# Altium PCB MIPI_To_HDMI.PcbDoc
Units mm, origin at the board's own origin, x right, y up, seen from the top; angles counter-clockwise.
Board outline 25 x 25 mm, 2 copper layers (Top Layer, Bottom Layer), stack 1.642 mm thick; 28 components, 27 nets, 136 pads, 83 vias.
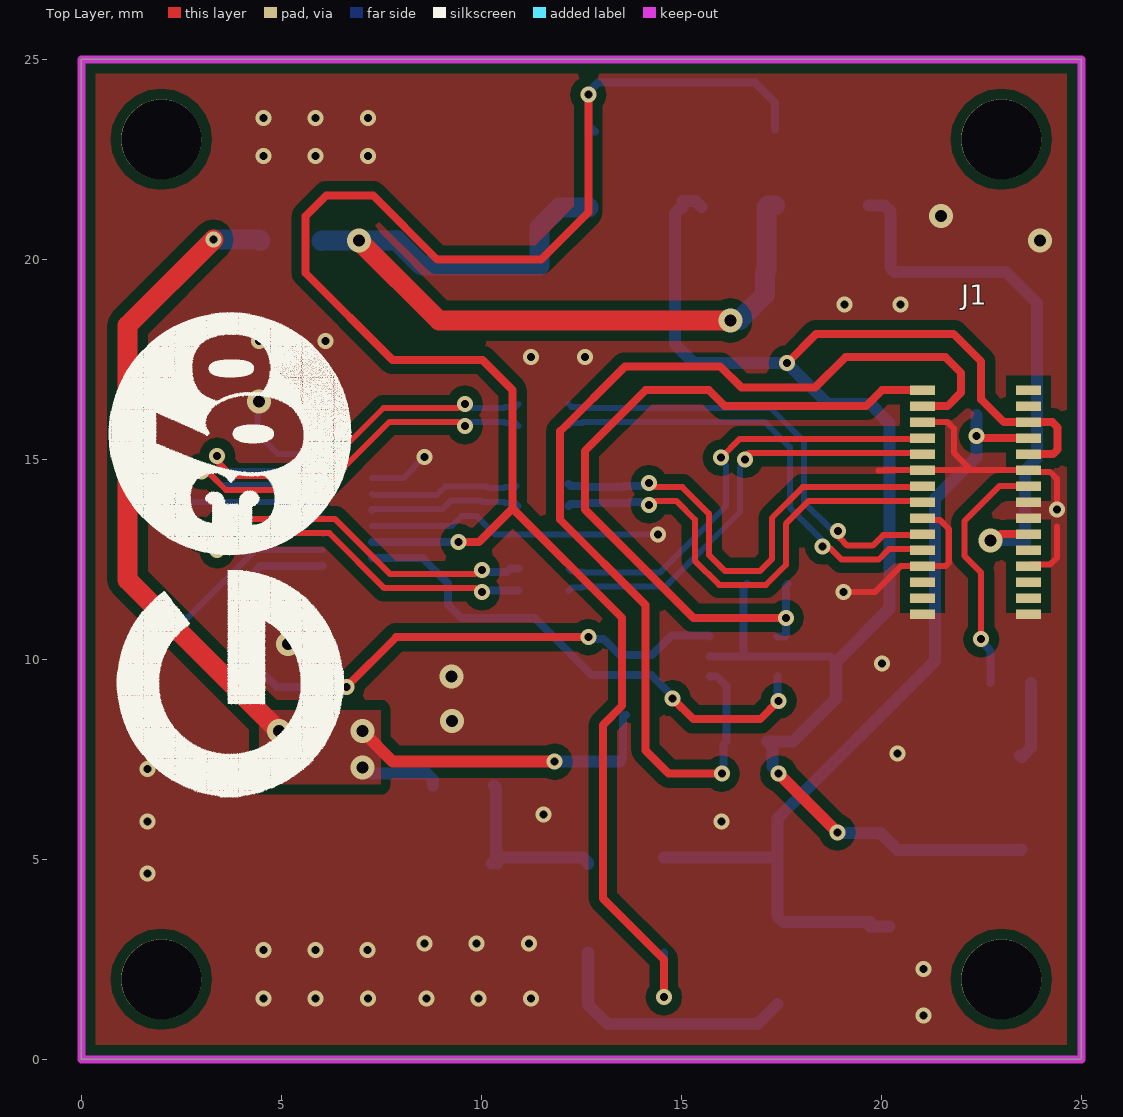
[diagram p0: Top Layer view]
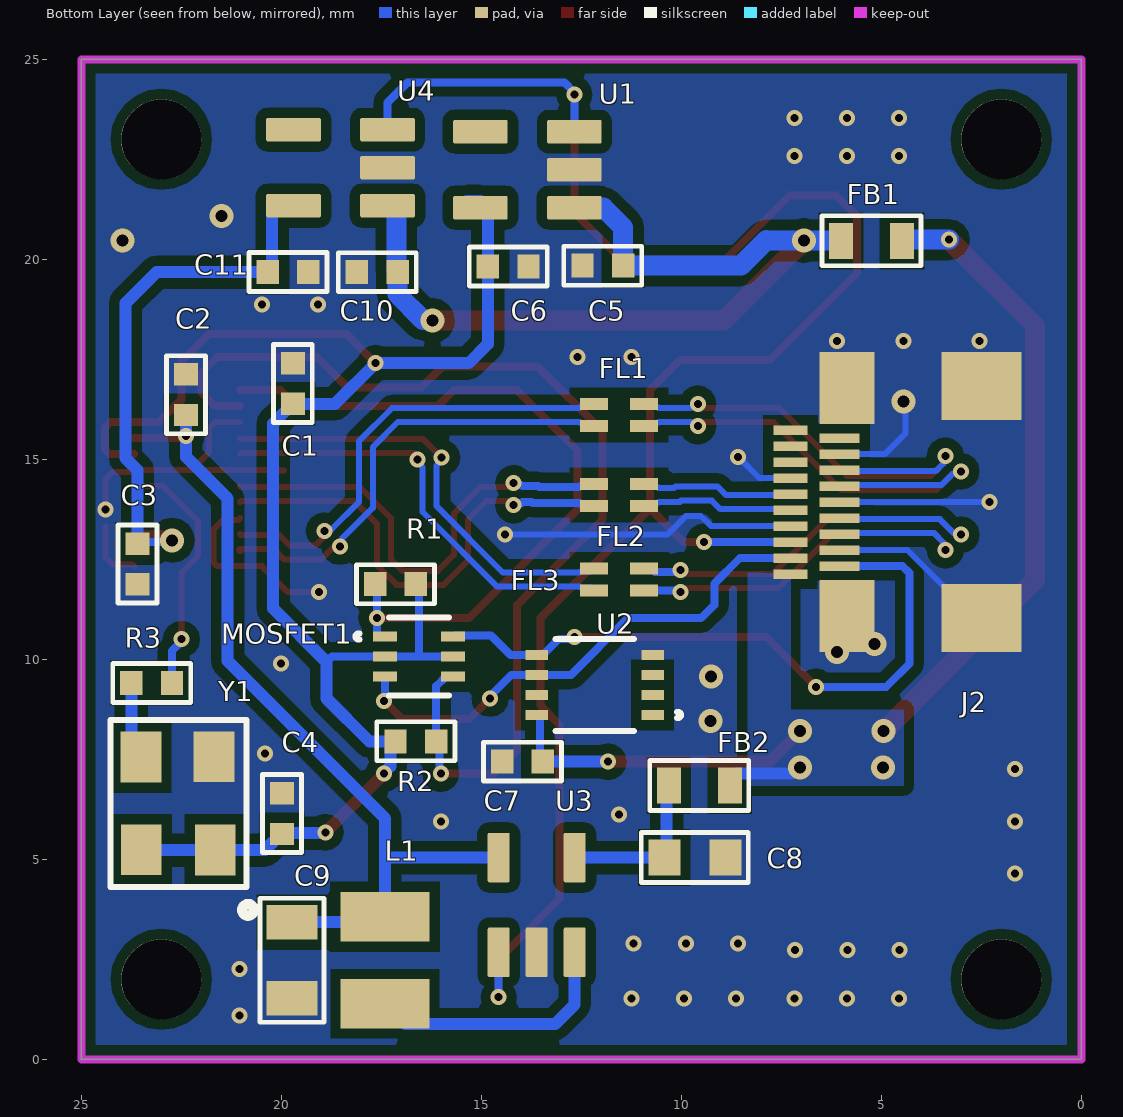
[diagram p1: Bottom Layer view, seen from below]
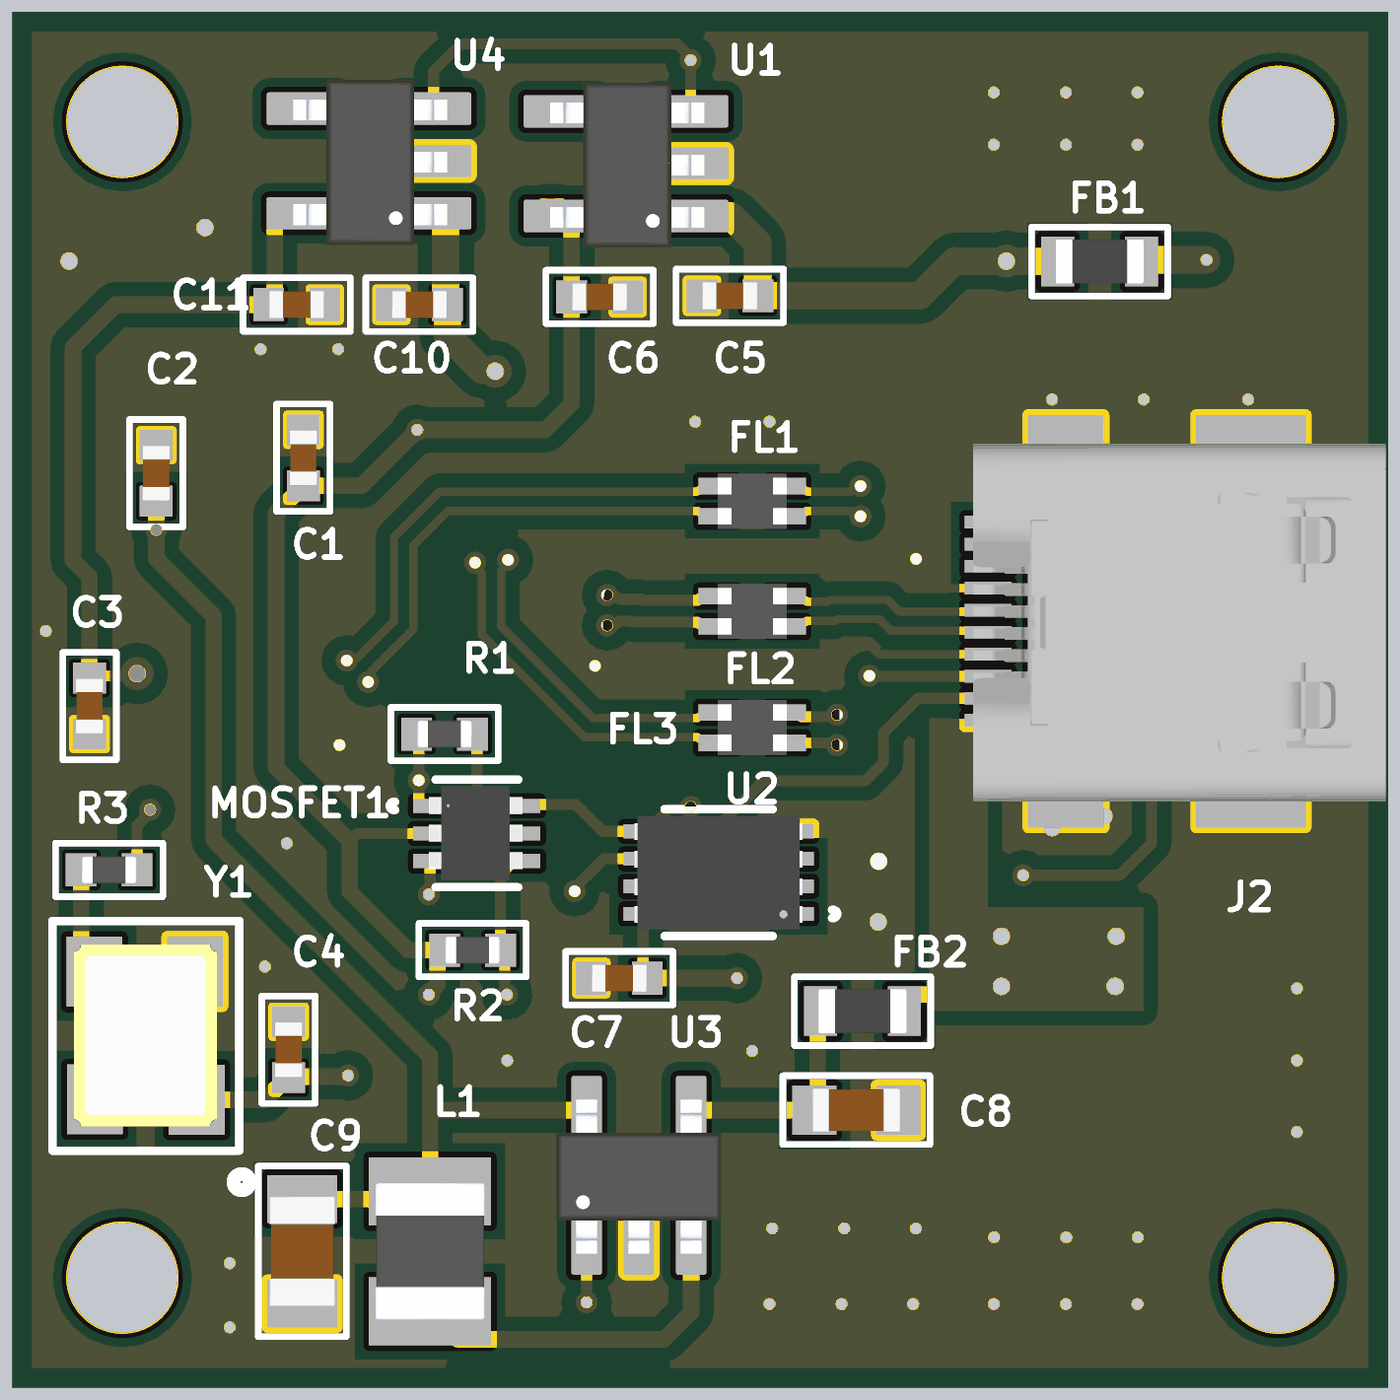
[diagram p2: 3D render of the assembled board from below, using the file's embedded part models]

## Layer stack, top to bottom
Top Solder: solder mask 0.0102, Solder Resist, Dk 3.5
Top Layer: signal copper 0.036
Dielectric 1: dielectric 1.57, FR-4, Dk 4.8
Bottom Layer: signal copper 0.036
Bottom Solder: solder mask 0.0102, Solder Resist, Dk 3.5

## Board outline
0,0 25,0 25,25 0,25

## Design rules (kind name [scope] priority, off if disabled: settings)
Clearance Clearance_1 [Inpoly] p1: gap=0.254 ignorepadtopadclearanceinfootprint=FALSE
Clearance [All] p2: gap=0.15 ignorepadtopadclearanceinfootprint=FALSE
DiffPairsRouting [All] p1: maxlimit=0.4 minlimit=0.15 mostfreqgap=0.2 toplayer_minwidth=0.15 toplayer_maxwidth=0.381 toplayer_prefwidth=0.2 bottomlayer_minwidth=0.15 bottomlayer_maxwidth=0.381 bottomlayer_prefwidth=0.2 substack1={EB61043C-BB84-4B0D-A59E-0C1C5B324672} toplayer_{eb61043c-bb84-4b0d-a59e-0c1c5b324672}_mingap=0.254 toplayer_{eb61043c-bb84-4b0d-a59e-0c1c5b324672}_maxgap=0.254 toplayer_{eb61043c-bb84-4b0d-a59e-0c1c5b324672}_prefgap=0.254 toplayer_{eb61043c-bb84-4b0d-a59e-0c1c5b324672}_minwidth=0.15 toplayer_{eb61043c-bb84-4b0d-a59e-0c1c5b324672}_maxwidth=0.381 toplayer_{eb61043c-bb84-4b0d-a59e-0c1c5b324672}_prefwidth=0.2 bottomlayer_{eb61043c-bb84-4b0d-a59e-0c1c5b324672}_mingap=0.254 bottomlayer_{eb61043c-bb84-4b0d-a59e-0c1c5b324672}_maxgap=0.254 bottomlayer_{eb61043c-bb84-4b0d-a59e-0c1c5b324672}_prefgap=0.254 bottomlayer_{eb61043c-bb84-4b0d-a59e-0c1c5b324672}_minwidth=0.15 bottomlayer_{eb61043c-bb84-4b0d-a59e-0c1c5b324672}_maxwidth=0.381 bottomlayer_{eb61043c-bb84-4b0d-a59e-0c1c5b324672}_prefwidth=0.2 maxuncoupledlength=12.7
HoleSize [All] p1: absolutevalues=TRUE maxlimit=10 minlimit=0.025 maxpercent=80.000 minpercent=20.000
MinimumSolderMaskSliver [All] p1 off: minsoldermaskwidth=0.254
PolygonConnect [All] p1: connectstyle=Direct reliefconductorwidth=0.254 reliefentries=4 polygonreliefangle="90 Angle" airgapwidth=0.254
RoutingVias [All] p1: holewidth=0.2 width=0.4 viastyle="Through Hole" minholewidth=0.2 minwidth=0.4 maxholewidth=0.4 maxwidth=1
SilkToSilkClearance [All] p1 off: silktosilkclearance=0.254
SilkToSolderMaskClearance [IsPad] p1 off: minsilkscreentomaskgap=0.254 clearancetoexposedcopper=TRUE
SolderMaskExpansion [All] p1: expansion=0.102
Width [All] p1: maxlimit=3 minlimit=0.15 preferedwidth=0.254
25 further rules are at their usual default settings.

## Classes and differential pairs
differential pair MIPI_D1: +MIPI_D1_P -MIPI_D1_N
differential pair MIPI_D0: +MIPI_D0_P -MIPI_D0_N
differential pair MIPI_CLK: +MIPI_CLK_P -MIPI_CLK_N
differential pair HDMI_MIPI_D1: +HDMI_MIPI_D1_P -HDMI_MIPI_D1_N
differential pair HDMI_MIPI_D0: +HDMI_MIPI_D0_P -HDMI_MIPI_D0_N
differential pair HDMI_MIPI_CLK: +HDMI_MIPI_CLK_P -HDMI_MIPI_CLK_N

## Components (designator, comment, footprint, x,y, rotation, side; value= is the part's Value field where it differs from the comment)
C1 "1uF" CAP-0402 19.711,16.388 r90 bottom
C2 "1uF" CAP-0402 22.384,16.108 r90 bottom
C3 "1uF" CAP-0402 23.596,12.893 r270 bottom
C4 "1uF" CAP-0402 19.98,5.634 r90 bottom
C5 "1uF" CAP-0402 11.454,19.84 r0 bottom
C6 "1uF" CAP-0402 14.836,19.82 r180 bottom
C7 "100nF" CAP-0402 13.462,7.442 r0 bottom
C8 "4.7uF" CAP-0603 9.664,5.044 r180 bottom
C9 "10uF" CAP-0805-S 19.731,2.478 r270 bottom
C10 "1uF" CAP-0402 17.094,19.68 r0 bottom
C11 "1uF" CAP-0402 20.34,19.68 r180 bottom
FB1 "BLM18AG601SN1" FBD-0603-S 5.242,20.462 r0 bottom
FB2 "BLM18AG601SN1" FBD-0603-S 9.55,6.842 r0 bottom
FL1 "DLP11SN900HL2L" DLP11SN900HL2L 11.557,16.108 r0 bottom
FL2 "DLP11SN900HL2L" DLP11SN900HL2L 11.557,14.108 r0 bottom
FL3 "DLP11SN900HL2L" DLP11SN900HL2L 11.557,11.993 r0 bottom
J1 "DF37NC30DS04V51" DF37NC30DS04V51 22.352,13.927 r90 top
J2 "Micro HDMI" HDMI-0467650301 4.445,13.927 r90 bottom
L1 "2.2uH" IND-1008 17.409,2.478 r90 bottom
MOSFET1 "DMG1024UV-7" SOT-563_DIO 16.582,9.952 r180 bottom
R1 "2.2K" RES-0402 16.637,11.877 r0 bottom
R2 "2.2K" RES-0402 17.145,7.95 r180 bottom
R3 "22R" RES-0402 23.748,9.408 r180 bottom
U1 "AP7331-18WG" AP7331-sot-25 13.85,22.24 r0 bottom
U2 "ATSHA204A-MAHCZ-" ATSHA204A 12.192,9.428 r0 bottom
U3 "PAM2301CAAB120" PAM2301CAAB120 13.615,3.859 r90 bottom
U4 "AP7331-28WG" AP7331-sot-25 18.52,22.29 r0 bottom
Y1 "24MHz" 3225-OSC 22.579,6.474 r90 bottom

## Footprints (in the part's own frame and the unit in brackets; to place one, negate y for a bottom-side part, rotate by r counter-clockwise, add the part's x,y. Pads: shape width x height; smd on the part's side, far side on the other; paste and mask are expansions set on the pad)
3225-OSC [mil]
  rect 50x40 smd: 1(-48.89,-36.56) 2(42.98,-35.31) 3(42.67,36.56) 4(-48.58,36.25)
  silkscreen extent -114,-74 79,67, body extent -68,-51 62,51, height 31
AP7331-sot-25 [mm]
  rrect15% 1.37x0.59 smd: 1(-1.175,0.95) 2(-1.175,0) 3(-1.175,-0.95) 4(1.175,-0.95) 5(1.175,0.95)
  body extent -1.42,-1.47 1.38,1.53, height 1.31
ATSHA204A [mil]
  rect 22x10 smd: 1(-58.06,32.24) 2(-58.06,12.56) 3(-58.06,-7.13) 4(-58.06,-26.81) 5(56.02,-26.81) 6(56.02,-7.13) 7(56.02,12.56) 8(56.02,32.24)
  silkscreen extent -86,-43 38,48, body extent -61,-37 59,43, height 19
CAP-0402 [mm]
  rect 0.56x0.6 smd mask+0.07: 1(0,0) 2(1.016,0)
  silkscreen extent -0.47,-0.49 1.48,0.49, body extent 0.01,-0.25 1.01,0.25, height 0.49
CAP-0603 [mm]
  rect 0.8x0.9 smd: 1(-0.762,0) 2(0.762,0)
  silkscreen extent -1.34,-0.63 1.34,0.63, body extent -0.8,-0.4 0.8,0.4, height 0.6
CAP-0805-S [mm]
  rect 0.862x1.27 smd: 1(-0.95,0) 2(0.95,0)
  silkscreen extent -1.55,-0.8 1.55,0.8, body extent -1,-0.6 1,0.6, height 0.95
DF37NC30DS04V51 [mm]
  rect 0.23x0.63 smd: 1(2.8,-1.325) 2(2.4,-1.325) 3(2,-1.325) 4(1.6,-1.325) 5(1.2,-1.325) 6(0.8,-1.325) 7(0.4,-1.325) 8(0,-1.325) 9(-0.4,-1.325) 10(-0.8,-1.325) 11(-1.2,-1.325) 12(-1.6,-1.325) 13(-2,-1.325) 14(-2.4,-1.325) 15(-2.8,-1.325) 16(-2.8,1.325) 17(-2.4,1.325) 18(-2,1.325) 19(-1.6,1.325) 20(-1.2,1.325) 21(-0.8,1.325) 22(-0.4,1.325) 23(0,1.325) 24(0.4,1.325) 25(0.8,1.325) 26(1.2,1.325) 27(1.6,1.325) 28(2,1.325) 29(2.4,1.325) 30(2.8,1.325)
  body extent -5.21,-1.75 10.65,14.23, height 6.76
DLP11SN900HL2L [mm]
  rect 0.7x0.3 smd: 1(-0.625,0.275) 2(0.625,0.275) 3(0.625,-0.275) 4(-0.625,-0.275)
  body extent -0.62,-0.5 0.63,0.5, height 0.93
FBD-0603-S [mm]
  rect 0.6x0.9 smd: 1(-0.762,0) 2(0.762,0)
  silkscreen extent -1.24,-0.63 1.24,0.63, body extent -0.8,-0.4 0.8,0.4, height 0.79
HDMI-0467650301 [mm]
  rect 0.23x0.85 smd: 1(1.8,2.825) 3(1.4,2.825) 5(1,2.825) 7(0.6,2.825) 9(0.2,2.825) 11(-0.2,2.825) 13(-0.6,2.825) 15(-1,2.825) 17(-1.4,2.825) 19(-1.8,2.825)
  rect 0.23x1 smd: 2(1.6,1.6) 4(1.2,1.6) 6(0.8,1.6) 8(0.4,1.6) 10(0,1.6) 12(-0.4,1.6) 14(-0.8,1.6) 16(-1.2,1.6) 18(-1.6,1.6)
  rect 1.8x1.38 smd: 20(-2.85,1.41) 21(2.85,1.41)
  rect 1.7x2 smd: 22(-2.9,-1.95) 23(2.9,-1.95)
  body extent -3.28,-4.4 3.22,3.1, height 2.98
IND-1008 [mm]
  rect 1.24x2.22 smd: 1(-1.09,0) 2(1.09,0)
  body extent -1.25,-1 1.25,1, height 0.99
PAM2301CAAB120 [mm]
  rrect14% 1.24x0.55 smd: 1(-1.185,0.95) 2(-1.185,0) 3(-1.185,-0.95) 4(1.185,-0.95) 5(1.185,0.95)
  body extent -1.42,-1.5 1.38,1.5, height 1.31
RES-0402 [mm]
  rect 0.56x0.6 smd mask+0.07: 1(0,0) 2(1.016,0)
  silkscreen extent -0.47,-0.49 1.48,0.49, body extent 0.01,-0.25 1.01,0.25, height 0.37
SOT-563_DIO [mil]
  rect 24x10 smd: 1(-32.56,24.37) 2(-32.56,4.68) 3(-32.56,-15) 4(34.44,-15) 5(34.44,4.68) 6(34.44,24.37)
  silkscreen extent -61,-34 30,43, body extent -34,-29 34,38, height 24

## Part data
C1 C2 C3 C4 C5 C6 C7 C8 C9 C10 C11: library part CAP, "Capacitor"
FB1 FB2 L1: library part INDUCTOR, "Inductor"
FL1 FL2 FL3: Package=FIL_DLP11SN900HL2L, DeviceSetName=DLP11SN900HL2L, Digi-Key_Part_Number=490-5143-1-ND, GateName_1=G$1, LibraryName=DLP11SN900HL2L, MF=Murata, Mouser-Purchase-URL=https://snapeda.com/shop?store=Mouser&id=4300514, MP=DLP11SN900HL2L, SymbolName_1=DLP11SN900HL2L
J2: library part HDMI-0467650301, Manufacturer_Name=Molex, Manufacturer_Part_Number=0467650301, Arrow_Part_Number=0467650301, Arrow_Price-Stock=https://www.arrow.com/en/products/0467650301/molex, DeviceSetName=0467650301, GateName_1=G$1, Height=3mm, LibraryName=0467650301, Package=0467650301, SymbolName_1=0467650301
R1 R2 R3: library part RES
U1 U4: library part AP7331-xxWG-7, Package=SOT95P285X145-5N, DeviceSetName=AP7331-18WG-7, Digi-Key_Part_Number=AP7331-18WG-7DICT-ND, GateName_1=G$1, LibraryName=AP7331-18WG-7, MF="Diodes Inc.", Mouser-Purchase-URL=https://snapeda.com/shop?store=Mouser&id=494406, MP=AP7331-18WG-7, SymbolName_1=AP7331-18WG-7
U2: Manufacturer_Part_Number=ATSHA204A-MAHCZ-T, Built_By=EMA_Molly, Copyright="Copyright (C) 2018 Accelerated Designs. All rights reserved", SourceLibrary=Microchip_2019-08-23_25, Vendor=Microchip
U3: Package=SOT95P280X100-5N, DeviceSetName=PAM2301CAAB120, Digi-Key_Part_Number=PAM2301CAAB120DI-ND, GateName_1=G$1, LibraryName=PAM2301CAAB120, MF="Diodes Inc.", MP=PAM2301CAAB120, SymbolName_1=PAM2301CAAB120
Y1: library part OSC-3225
MOSFET1: Built_By=EMA_Cory, C="Copyright (C) 2018 Accelerated Designs. All rights reserved", Copyright="Copyright (C) 2018 Accelerated Designs. All rights reserved", Datasheet=https://www.diodes.com/assets/Datasheets/ds31974.pdf, Manufacturer_Part_Number=DMG1024UV-7, SourceLibrary=Diodes_Inc_2020-03-09, Vendor="Diodes Inc"

## Free pads (board coordinates)
  round 2 hole 2: 5(2,2) 5(2,23) 5(23,2) 5(23,23)

## Via types
v1: diameter 0.4, hole 0.2, Top Layer to Bottom Layer, tented both sides, 69 vias
v2: diameter 0.6, hole 0.3, Top Layer to Bottom Layer, tented both sides, 14 vias

## Nets (pads, with @x,y where several pads share a name; then routed paths per layer and width w, separated by ;. In a path a pad name is that pad's centre, name@x,y a point inside that pad or via, vN(x,y) a via of type N, cw(c..) or ccw(c..) an arc to the next point about the centre after c; other vN are vias at no path point)
1V2: C2.1 C9.1 J1.4 L1.2 U3.5 | length 21.6
  Top Layer w0.2: v1(22.384,15.586) 22.438,15.586 22.497,15.527 J1.4
  Bottom Layer w0.3: U3.5 17.386,5.044 17.409,5.067 ; C9.1@19.715,3.319 C9.1@20.205,3.319 ; C9.1 17.549,3.428 L1.2 17.409,5.067 ; C2.1 v1(22.384,15.586) 22.384,15.064 21.342,14.022 21.342,9.958 17.409,6.025 17.409,5.067
1V8: C1.1 C4.1 C6.1 J1.3 J1.5 MOSFET1.2 MOSFET1.5 R1.1 R2.1 U1.5 Y1.1 Y1.4 | length 42.6
  Top Layer w0.2: v1(17.642,17.404) 18.371,18.133 21.81,18.133 22.497,17.445 22.497,16.497 23.062,15.932 23.672,15.932 J1.3 24.277,15.927 24.409,15.795 24.409,15.244 24.292,15.127 J1.5
  Top Layer w0.3: v1(17.432,7.142) v1@18.909,5.665
  Bottom Layer w0.2: MOSFET1.5 16.558,10.071 ; R1.1 16.558,11.798 16.558,10.071 ; 18.869,9.933 18.731,10.071 MOSFET1.2 16.558,10.071
  Bottom Layer w0.3: U1.5 14.981,21.29 14.836,21.145 C6.1 14.836,17.884 15.316,17.404 v1(17.642,17.404) 18.658,16.388 C1.1 19.731,16.388 19.861,16.258 19.861,16.238 20.205,15.894 20.205,11.269 18.869,9.933 18.869,9.019 17.8,7.95 R2.1 17.275,7.82 17.275,7.326 17.432,7.169 v1(17.432,7.142) ; U1.5@15.025,21.458 15.356,21.458 U1.5@15.501,21.313 ; v1(18.901,5.674) 18.92,5.655 19.959,5.655 C4.1 ; C4.1@19.98,5.66 20.408,5.232 Y1.1 23.492,5.232 Y1.4
2V8: C3.1 C11.1 J1.10 U4.5 | length 14.1
  Top Layer w0.2: v2(22.732,12.975) 22.84,12.975 22.992,13.127 J1.10
  Bottom Layer w0.2: v2(22.732,12.975) 22.773,12.934 23.555,12.934 C3.1
  Bottom Layer w0.3: U4.5 20.085,21.34 20.23,21.195 20.23,19.79 C11.1 23.122,19.68 23.896,18.906 23.896,15.027 23.596,14.727 C3.1
3V3: C7.1 FB1.1 FB2.1 J2.19 U2.8 | length 26.1
  Top Layer w0.3: v2(7.028,8.202) 7.788,7.442 v1(11.832,7.442)
  Top Layer w0.5: v1(3.302,20.492) 1.155,18.345 1.155,11.989 v2(4.942,8.202)
  Bottom Layer w0.2: C7.1 13.538,7.518 13.538,8.582 13.565,8.609 U2.8
  Bottom Layer w0.3: v2@7.085,7.349 v2(7.028,7.292) 7.109,7.292 7.259,7.142 8.638,7.142 8.788,6.992 FB2.1 ; v1(11.832,7.442) C7.1
  Bottom Layer w0.5: v1(3.302,20.492) 4.45,20.492 FB1.1
  other v2: 4.962,7.292
ENABLE: J2.15 U1.3 U3.1 U4.3 | length 48.4
  Top Layer w0.2: v1(9.428,12.935) 9.945,12.935 10.782,13.772 ; v1(12.674,24.12) 12.674,21.172 11.493,19.99 8.9,19.99 7.29,21.6 6.13,21.6 5.61,21.08 5.61,19.654 7.782,17.482 10.032,17.482 10.782,16.732 10.782,13.772 ; v1(14.565,1.552) 14.565,2.495 13.04,4.02 13.04,8.36 13.522,8.842 13.522,11.032 10.782,13.772
  Bottom Layer w0.2: J2.15 9.42,12.927 v1(9.428,12.935) ; U1.3 12.843,23.19 U1.3@12.675,23.358 ; U1.3 v1(12.674,24.12) 12.674,24.174 12.92,24.42 16.845,24.42 17.345,23.92 U4.3 ; v1(14.565,1.552) U3.1
GND: C1.2 C2.2 C3.2 C4.2 C5.2 C6.2 C7.2 C8.2 C9.2 C10.2 C11.2 J1.6 J1.8 J1.9 J1.12 J1.15 J1.16 J1.19 J1.22 J1.25 J1.28 J2.4 J2.7 J2.10 J2.13 J2.16 J2.20 J2.21 J2.22 J2.23 U1.2 U2.4 U3.2 U4.2 Y1.2 | length 33.2
  Top Layer w0.15: v1(19.054,11.677) 19.836,11.677 20.486,12.327 J1.19 21.603,12.327 21.691,12.415 21.691,13.254 21.458,13.487 21.067,13.487 J1.22 ; 19.929,14.718 20.049,14.718 20.058,14.727 J1.25 22.251,14.727 ; J1.28 21.656,15.927 21.813,15.77 21.813,15.166 22.251,14.727 ; J1.12 23.717,12.367 24.215,12.367 24.394,12.546 24.394,12.67 24.39,12.673 24.39,13.322 ; v1(24.39,13.747) 24.39,14.516 24.217,14.689 23.715,14.689 J1.6 22.251,14.727
  Bottom Layer w0.15: v1(2.3,13.927) J2.10 ; J2.22 2.645,11.027 4.345,12.727 J2.16 ; v2(4.442,16.442) 4.401,16.401 4.401,15.642 4.916,15.127 J2.4 ; J2.13 9.256,13.327 9.508,13.58 9.887,13.58 10.351,13.116 v1(14.412,13.116) ; J2.7 8.046,14.527 v1(8.578,15.059)
  other v1: 21.051,1.097 4.558,1.52 5.857,1.52 7.167,1.52 8.632,1.52 9.932,1.52 11.241,1.52 21.051,2.262 4.551,2.733 5.851,2.733 7.16,2.733 8.584,2.895 9.884,2.895 11.193,2.895 1.66,4.647 1.66,5.947 16.008,5.947 11.557,6.121 1.66,7.256 20.408,7.65 20.011,9.892 11.241,17.552 12.592,17.552 2.546,17.955 4.442,17.955 6.107,17.955 19.078,18.868 20.486,18.868 4.558,22.585 5.857,22.585 7.167,22.585 4.558,23.535 5.857,23.535 7.167,23.535
  other v2: 9.267,8.464 9.259,9.564 6.107,10.177 5.165,10.387 23.967,20.469 21.498,21.08
HDMI_MIPI_CLK_N: FL3.1 J2.14 | length 11.2
  Top Layer w0.15: v1(3.398,12.727) 3.446,12.775 3.446,12.916 3.681,13.152 6.203,13.152 7.578,11.777 9.847,11.777 9.947,11.677 v1(10.015,11.677)
  Top Layer w0.2: v1@9.977,11.715 v1(10.015,11.677)
  Bottom Layer w0.15: v1(3.398,12.727) 3.446,12.775 3.446,12.916 3.681,13.152 5.287,13.152 6.02,13.152 J2.14
  Bottom Layer w0.2: v1@10.197,11.718 FL3.1
HDMI_MIPI_CLK_P: FL3.4 J2.12 | length 12
  Top Layer w0.15: v1(3.009,13.116) 3.057,13.164 3.198,13.164 3.536,13.502 6.348,13.502 7.723,12.127 9.847,12.127 9.947,12.227 v1(10.015,12.227)
  Top Layer w0.2: v1@9.977,12.189 v1(10.015,12.227)
  Bottom Layer w0.15: v1(3.009,13.116) 3.057,13.164 3.198,13.164 3.536,13.502 5.143,13.502 6.02,13.502 J2.12
  Bottom Layer w0.2: v1(10.015,12.227) 10.053,12.189 10.653,12.189 10.732,12.268 FL3.4
HDMI_MIPI_D0_N: FL2.1 J2.11 | length 3.8
  Bottom Layer w0.15: J2.11 7.295,13.752 7.92,13.752 9.026,13.752 9.238,13.965 10.002,13.965 10.033,13.933 10.569,13.933 10.594,13.908 10.857,13.908 FL2.1
HDMI_MIPI_D0_P: FL2.4 J2.9 | length 3.7
  Bottom Layer w0.15: J2.9 7.295,14.102 8.065,14.102 8.881,14.102 9.093,14.315 10.147,14.315 10.178,14.283 10.569,14.283 10.594,14.308 10.857,14.308 FL2.4@10.882,14.333
HDMI_MIPI_D1_N: FL1.1 J2.8 | length 11.8
  Top Layer w0.15: v1(3.009,14.699) 3.057,14.651 3.198,14.651 3.618,14.232 5.998,14.232 7.699,15.933 v1@9.421,15.933
  Bottom Layer w0.15: v1@3.198,14.651 3.498,14.352 5.287,14.352 6.02,14.352 J2.8 ; v1(9.589,15.833) 9.656,15.833 9.756,15.933 10.569,15.933 10.594,15.908 10.857,15.908 FL1.1
  Bottom Layer w0.2: v1(9.589,15.833) v1@9.664,15.908
HDMI_MIPI_D1_P: FL1.4 J2.6 | length 11.1
  Top Layer w0.15: v1(3.398,15.088) 3.446,15.04 3.446,14.899 3.763,14.582 5.853,14.582 7.554,16.283 v1@9.421,16.283
  Bottom Layer w0.15: v1@3.446,14.899 3.642,14.702 5.143,14.702 6.02,14.702 J2.6 ; v1(9.589,16.383) 9.656,16.383 9.756,16.283 10.569,16.283 10.594,16.308 10.857,16.308 FL1.4
MCLK: J1.7 R3.2 | length 6.3
  Top Layer w0.15: v1(22.497,10.502) 22.497,12.166 22.077,12.586 22.077,13.452 22.952,14.327 J1.7
  Bottom Layer w0.2: v1(22.497,10.502) 22.497,10.448 22.732,10.213 R3.2
MIPI_CLK_N: FL3.2 J1.26 | length 11
  Top Layer w0.15: v1(16.592,14.992) 16.592,15.059 16.68,15.147 16.68,15.152 21.002,15.152 J1.26
  Bottom Layer w0.15: FL3.2 12.257,11.793 12.52,11.793 12.545,11.818 12.757,11.818 14.602,11.818 16.467,13.683 16.467,14.799 16.592,14.924 v1(16.592,14.992)
MIPI_CLK_P: FL3.3 J1.27 | length 11.2
  Top Layer w0.15: v1(15.992,15.042) 16.452,15.502 21.002,15.502 J1.27
  Bottom Layer w0.15: FL3.3 12.257,12.193 12.52,12.193 12.545,12.168 12.902,12.168 14.457,12.168 16.117,13.828 16.117,14.85 15.992,14.974 v1(15.992,15.042)
MIPI_D0_N: FL2.2 J1.23 | length 11.8
  Top Layer w0.15: v1@14.36,13.952 14.882,13.952 15.338,13.496 15.338,12.467 15.944,11.862 17.117,11.862 17.614,12.359 17.614,13.389 18.177,13.952 21.002,13.952 J1.23
  Top Layer w0.2: v1@14.184,13.844 v1@14.23,13.89
  Bottom Layer w0.2: FL2.2 12.232,13.883 12.524,13.883 12.549,13.908 13.723,13.908 13.742,13.927 13.976,13.927 14.012,13.89 14.154,13.89 v1(14.192,13.852)
MIPI_D0_P: FL2.3 J1.24 | length 11.7
  Top Layer w0.15: v1@14.36,14.302 15.027,14.302 15.688,13.641 15.688,12.612 16.088,12.212 16.972,12.212 17.264,12.504 17.264,13.534 18.032,14.302 21.002,14.302 J1.24
  Bottom Layer w0.2: FL2.3 12.232,14.333 12.524,14.333 12.549,14.308 13.557,14.308 13.576,14.327 13.976,14.327 14.012,14.364 14.154,14.364 v1(14.192,14.402)
MIPI_D1_N: FL1.2 J1.20 | length 11.2
  Top Layer w0.15: v1(18.534,12.823) 18.582,12.775 18.723,12.775 19.008,12.491 19.929,12.491 20.19,12.752 21.002,12.752 J1.20
  Bottom Layer w0.15: FL1.2 12.257,15.908 12.52,15.908 12.545,15.933 12.757,15.933 17.085,15.933 17.714,15.304 17.714,13.785 v1@18.486,13.012
MIPI_D1_P: FL1.3 J1.21 | length 11.2
  Top Layer w0.15: v1(18.923,13.212) 18.971,13.164 18.971,13.023 19.153,12.841 19.784,12.841 20.045,13.102 21.002,13.102 J1.21
  Bottom Layer w0.15: FL1.3 12.257,16.308 12.52,16.308 12.545,16.283 12.902,16.283 17.23,16.283 18.064,15.449 18.064,13.93 v1@18.734,13.26
NetC5_1: C5.1 C10.1 FB1.2 U1.1 U4.1 | length 21.8
  Top Layer w0.5: v2(6.939,20.469) 8.94,18.469 v2(16.224,18.469)
  Bottom Layer w0.5: FB1.2 6.012,20.469 v2(6.939,20.469) 7.866,20.469 7.874,20.477 8.511,19.84 C5.1 11.454,20.796 11.948,21.29 U1.1 ; v2(16.224,18.469) 16.243,18.488 16.463,18.488 17.094,19.119 C10.1 17.124,19.71 17.124,21.295 17.169,21.34 U4.1
NetC8_1: C8.1 FB2.2 U3.4 | length 4.5
  Bottom Layer w0.3: C8.1@10.257,4.898 C8.1@10.369,5.01 ; FB2.2 10.369,6.785 C8.1@10.369,5.01 ; C8.1@10.403,4.898 10.369,4.932 C8.1@10.369,5.01 ; C8.1 12.54,5.044 12.665,4.919 U3.4@12.665,4.885
NetL1_1: L1.1 U3.3 | length 6.5
  Bottom Layer w0.3: U3.3 12.665,1.372 13.157,0.88 16.901,0.88 L1.1
NetR3_1: R3.1 Y1.3 | length 2
  Bottom Layer w0.3: Y1.3@23.468,7.597 Y1.3 23.748,7.798 R3.1
SCL: J2.17 MOSFET1.3 U2.6 | length 13
  Top Layer w0.2: v1(14.782,9.022) 15.302,8.502 16.972,8.502 v1(17.432,8.962)
  Bottom Layer w0.2: J2.17 8.538,12.527 9.17,11.895 9.17,11.362 9.505,11.027 11.342,11.027 12.76,9.609 U2.6 14.25,9.609 14.782,9.077 v1(14.782,9.022) ; MOSFET1.3 17.409,8.985 v1(17.432,8.962)
SCL_1V8: J1.29 MOSFET1.4 R2.2 | length 26.8
  Top Layer w0.2: v1(16.012,7.142) 14.682,7.142 14.102,7.722 14.102,11.359 11.972,13.489 11.972,15.702 13.592,17.322 15.972,17.322 16.501,16.793 18.343,16.793 19.102,17.552 21.602,17.552 21.992,17.162 21.992,16.667 21.652,16.327 J1.29
  Bottom Layer w0.2: MOSFET1.4 15.885,9.571 16.129,9.327 R2.2 16.05,7.871 16.05,7.18 v1(16.012,7.142)
SDA: J2.18 MOSFET1.6 U2.5 | length 16.6
  Top Layer w0.2: v1(6.632,9.312) 7.872,10.552 v1(12.674,10.552)
  Bottom Layer w0.2: J2.18 4.468,12.327 4.298,12.157 4.298,9.892 4.878,9.312 v1(6.632,9.312) ; v1(12.674,10.552) 12.713,10.514 13.058,10.514 13.462,10.109 U2.5 14.269,10.109 14.758,10.598 15.68,10.598 MOSFET1.6
SDA_1V8: J1.30 MOSFET1.1 R1.2 | length 18.5
  Top Layer w0.2: v1(17.614,11.037) 15.303,11.037 12.592,13.747 12.592,15.212 14.107,16.727 15.688,16.727 16.084,16.332 19.622,16.332 20.017,16.727 J1.30
  Bottom Layer w0.2: MOSFET1.1 17.587,10.571 17.614,10.598 v1(17.614,11.037) 17.614,11.838 R1.2
pads on no net: J1.1 J1.2 J1.11 J1.13 J1.14 J1.17 J1.18 J2.1 J2.2 J2.3 J2.5 U1.4 U2.1 U2.2 U2.3 U2.7 U4.4

## Polygon pours and split planes (outlines as drawn)
GND on Bottom Layer "GND_L02_P004" (solid, remove dead copper, pour order 4): 0.016,-0.048 0.016,24.952 25.016,24.952 25.016,-0.048
3V3 on Bottom Layer "3V3_L02_P000" (solid, remove dead copper, pour order 0): 7.27,12.226 8.34,12.226 8.34,6.842 4.445,6.842 4.445,8.736 7.27,8.736
GND on Top Layer "GND_L01_P006" (solid, remove dead copper, pour order 6): -0.09,0.158 -0.09,25.158 24.91,25.158 24.91,0.158
3V3 on Top Layer "3V3_L01_P002" (solid, remove dead copper, pour order 2): 4.442,8.732 7.482,8.732 7.482,6.872 4.442,6.872

## Keep-outs
Keep-Out Layer:
  the board outline again, w0.2

## Silkscreen, mask and mechanical layers (free items; w line width, h text height)
Top Overlay:
  drawing of 65469 lines, arcs and shapes, not listed